# KiCad board cqa02303v4_cad.kicad_pcb (continued)
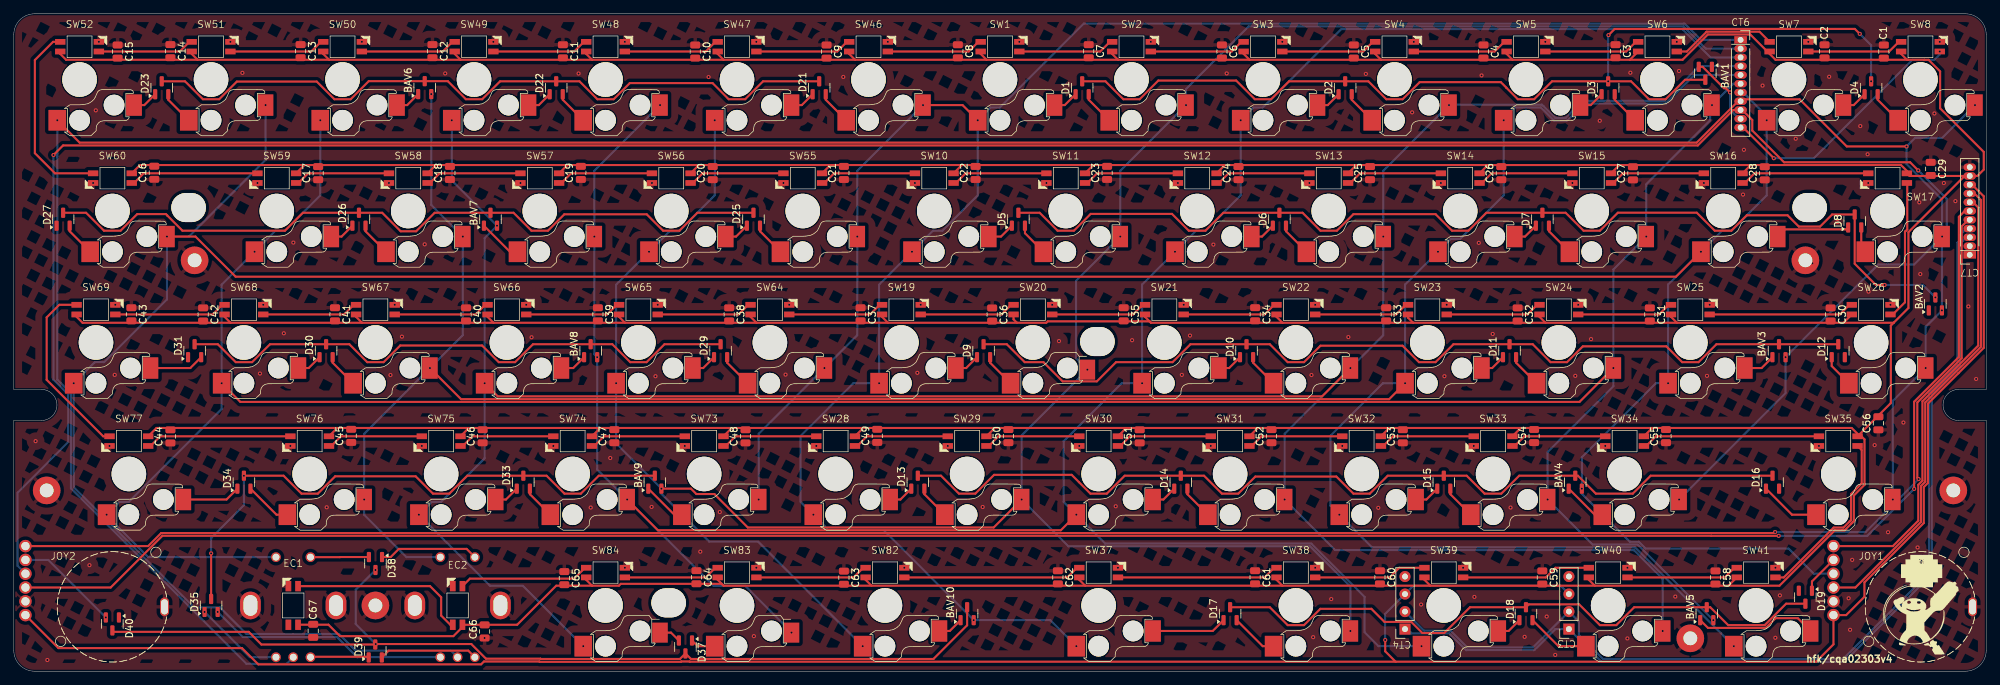
[diagram p0: board, top side]
## Routing (per net, layer and track width the routed paths; a pad name or vN(x,y) marks a point on that pad's centre or on a via; arc(x,y) is an arc through that point) (continued)

## Copper pours and planes (outline as drawn; the poured copper is in the pictures)
GNDR on Top, Bottom: -2.38,-3.57 288.13,-3.57 288.13,98.82 -2.38,98.82

## Text on the board
User.Comments: 1u | 1.25u | 1.5u | 1.75u | 2u | 2.25u | |-- 60% --> | <-- Cursor --| | |    BS    | | |   ENTER   | | |   SPACE   | | |   CONTROL   | | |           OLED          | | <-- 60% --|
F.Silkscreen: hfk/cqa02303v4
